# Altium PCB SupBigBrrg_0.PcbDoc (part 5 of 29)
Units mm, origin at the board's own origin, x right, y up, seen from the top; angles counter-clockwise.
Board outline 400 x 344 mm, 6 copper layers (TopLayer, PlaneGnd, PlanePwr, MidLayer3, MidLayer4, BottomLayer); 1288 components, 1323 nets, 5024 pads, 1078 vias.
Unrouted connection lines stored in the file: 1824.
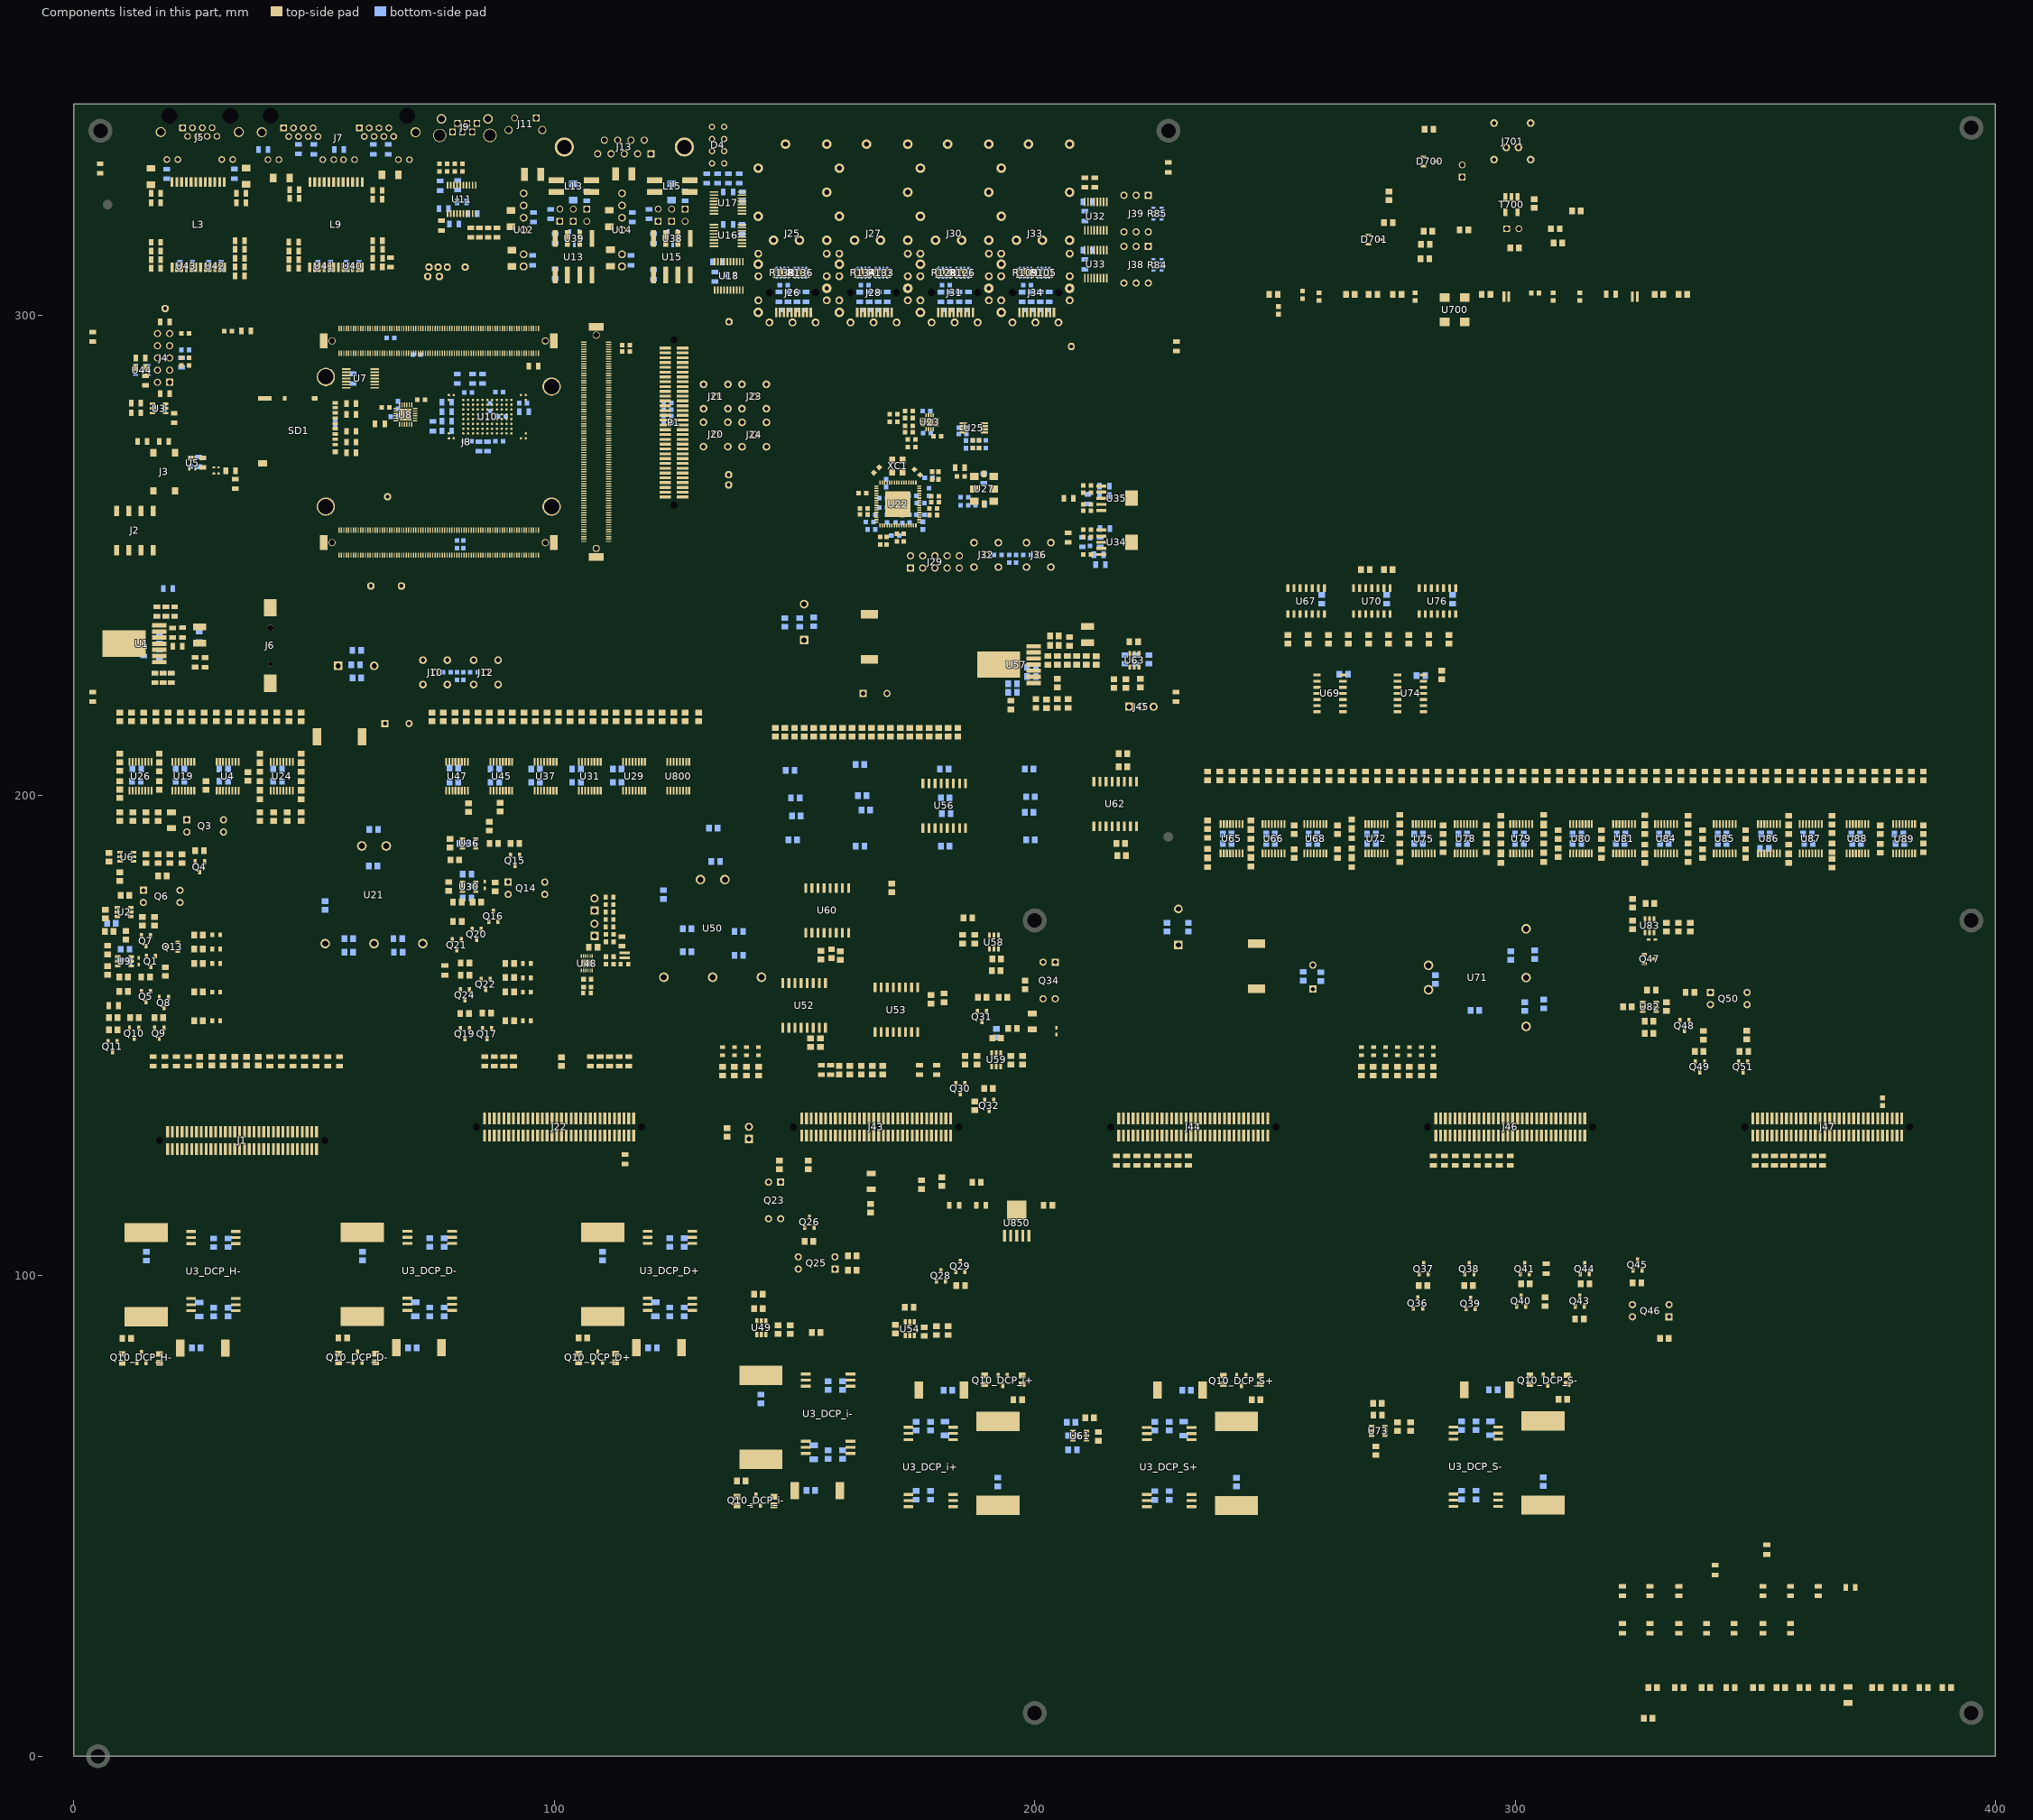
[diagram p9: the components of this part, seen from the top]

## Design rules (kind name [scope] priority, off if disabled: settings) (continued)
DiffPairsRouting "Schematic Differential Pairs Routing_1429" [InNet('SFP_TX_0.IO_P')] p351: maxlimit=0.5 minlimit=0.075 mostfreqgap=0.254 toplayer_prefgap=0.175 toplayer_minwidth=0.075 toplayer_maxwidth=0.5 toplayer_prefwidth=0.25 midlayer3_maxgap=0.254 midlayer3_minwidth=0.075 midlayer3_maxwidth=0.5 midlayer3_prefwidth=0.25 midlayer4_maxgap=0.254 midlayer4_minwidth=0.075 midlayer4_maxwidth=0.5 midlayer4_prefwidth=0.25 bottomlayer_prefgap=0.175 bottomlayer_minwidth=0.075 bottomlayer_maxwidth=0.5 bottomlayer_prefwidth=0.25 maxuncoupledlength=12.7
DiffPairsRouting "Schematic Differential Pairs Routing_1473" [InNet('ETH0_A_P')] p352: maxlimit=0.5 minlimit=0.075 mostfreqgap=0.254 toplayer_prefgap=0.175 toplayer_minwidth=0.075 toplayer_maxwidth=0.5 toplayer_prefwidth=0.25 midlayer3_maxgap=0.254 midlayer3_minwidth=0.075 midlayer3_maxwidth=0.5 midlayer3_prefwidth=0.25 midlayer4_maxgap=0.254 midlayer4_minwidth=0.075 midlayer4_maxwidth=0.5 midlayer4_prefwidth=0.25 bottomlayer_prefgap=0.175 bottomlayer_minwidth=0.075 bottomlayer_maxwidth=0.5 bottomlayer_prefwidth=0.25 maxuncoupledlength=12.7
DiffPairsRouting "Schematic Differential Pairs Routing_1472" [InNet('ETH0_B_P')] p353: maxlimit=0.5 minlimit=0.075 mostfreqgap=0.254 toplayer_prefgap=0.175 toplayer_minwidth=0.075 toplayer_maxwidth=0.5 toplayer_prefwidth=0.25 midlayer3_maxgap=0.254 midlayer3_minwidth=0.075 midlayer3_maxwidth=0.5 midlayer3_prefwidth=0.25 midlayer4_maxgap=0.254 midlayer4_minwidth=0.075 midlayer4_maxwidth=0.5 midlayer4_prefwidth=0.25 bottomlayer_prefgap=0.175 bottomlayer_minwidth=0.075 bottomlayer_maxwidth=0.5 bottomlayer_prefwidth=0.25 maxuncoupledlength=12.7
DiffPairsRouting "Schematic Differential Pairs Routing_1471" [InNet('ETH0_C_N')] p354: maxlimit=0.5 minlimit=0.075 mostfreqgap=0.254 toplayer_prefgap=0.175 toplayer_minwidth=0.075 toplayer_maxwidth=0.5 toplayer_prefwidth=0.25 midlayer3_maxgap=0.254 midlayer3_minwidth=0.075 midlayer3_maxwidth=0.5 midlayer3_prefwidth=0.25 midlayer4_maxgap=0.254 midlayer4_minwidth=0.075 midlayer4_maxwidth=0.5 midlayer4_prefwidth=0.25 bottomlayer_prefgap=0.175 bottomlayer_minwidth=0.075 bottomlayer_maxwidth=0.5 bottomlayer_prefwidth=0.25 maxuncoupledlength=12.7
DiffPairsRouting "Schematic Differential Pairs Routing_1470" [InNet('ETH0_C_P')] p355: maxlimit=0.5 minlimit=0.075 mostfreqgap=0.254 toplayer_prefgap=0.175 toplayer_minwidth=0.075 toplayer_maxwidth=0.5 toplayer_prefwidth=0.25 midlayer3_maxgap=0.254 midlayer3_minwidth=0.075 midlayer3_maxwidth=0.5 midlayer3_prefwidth=0.25 midlayer4_maxgap=0.254 midlayer4_minwidth=0.075 midlayer4_maxwidth=0.5 midlayer4_prefwidth=0.25 bottomlayer_prefgap=0.175 bottomlayer_minwidth=0.075 bottomlayer_maxwidth=0.5 bottomlayer_prefwidth=0.25 maxuncoupledlength=12.7
DiffPairsRouting "Schematic Differential Pairs Routing_1469" [InNet('ETH0_D_N')] p356: maxlimit=0.5 minlimit=0.075 mostfreqgap=0.254 toplayer_prefgap=0.175 toplayer_minwidth=0.075 toplayer_maxwidth=0.5 toplayer_prefwidth=0.25 midlayer3_maxgap=0.254 midlayer3_minwidth=0.075 midlayer3_maxwidth=0.5 midlayer3_prefwidth=0.25 midlayer4_maxgap=0.254 midlayer4_minwidth=0.075 midlayer4_maxwidth=0.5 midlayer4_prefwidth=0.25 bottomlayer_prefgap=0.175 bottomlayer_minwidth=0.075 bottomlayer_maxwidth=0.5 bottomlayer_prefwidth=0.25 maxuncoupledlength=12.7
DiffPairsRouting "Schematic Differential Pairs Routing_1468" [InNet('ETH0_D_P')] p357: maxlimit=0.5 minlimit=0.075 mostfreqgap=0.254 toplayer_prefgap=0.175 toplayer_minwidth=0.075 toplayer_maxwidth=0.5 toplayer_prefwidth=0.25 midlayer3_maxgap=0.254 midlayer3_minwidth=0.075 midlayer3_maxwidth=0.5 midlayer3_prefwidth=0.25 midlayer4_maxgap=0.254 midlayer4_minwidth=0.075 midlayer4_maxwidth=0.5 midlayer4_prefwidth=0.25 bottomlayer_prefgap=0.175 bottomlayer_minwidth=0.075 bottomlayer_maxwidth=0.5 bottomlayer_prefwidth=0.25 maxuncoupledlength=12.7
DiffPairsRouting "Schematic Differential Pairs Routing_1466" [InNet('ETH1A_TX_P')] p358: maxlimit=0.5 minlimit=0.075 mostfreqgap=0.254 toplayer_prefgap=0.175 toplayer_minwidth=0.075 toplayer_maxwidth=0.5 toplayer_prefwidth=0.25 midlayer3_maxgap=0.254 midlayer3_minwidth=0.075 midlayer3_maxwidth=0.5 midlayer3_prefwidth=0.25 midlayer4_maxgap=0.254 midlayer4_minwidth=0.075 midlayer4_maxwidth=0.5 midlayer4_prefwidth=0.25 bottomlayer_prefgap=0.175 bottomlayer_minwidth=0.075 bottomlayer_maxwidth=0.5 bottomlayer_prefwidth=0.25 maxuncoupledlength=12.7
DiffPairsRouting "Schematic Differential Pairs Routing_1465" [InNet('ETH1A_RX_N')] p359: maxlimit=0.5 minlimit=0.075 mostfreqgap=0.254 toplayer_prefgap=0.175 toplayer_minwidth=0.075 toplayer_maxwidth=0.5 toplayer_prefwidth=0.25 midlayer3_maxgap=0.254 midlayer3_minwidth=0.075 midlayer3_maxwidth=0.5 midlayer3_prefwidth=0.25 midlayer4_maxgap=0.254 midlayer4_minwidth=0.075 midlayer4_maxwidth=0.5 midlayer4_prefwidth=0.25 bottomlayer_prefgap=0.175 bottomlayer_minwidth=0.075 bottomlayer_maxwidth=0.5 bottomlayer_prefwidth=0.25 maxuncoupledlength=12.7
DiffPairsRouting "Schematic Differential Pairs Routing_1464" [InNet('ETH1B_TX_N')] p360: maxlimit=0.5 minlimit=0.075 mostfreqgap=0.254 toplayer_prefgap=0.175 toplayer_minwidth=0.075 toplayer_maxwidth=0.5 toplayer_prefwidth=0.25 midlayer3_maxgap=0.254 midlayer3_minwidth=0.075 midlayer3_maxwidth=0.5 midlayer3_prefwidth=0.25 midlayer4_maxgap=0.254 midlayer4_minwidth=0.075 midlayer4_maxwidth=0.5 midlayer4_prefwidth=0.25 bottomlayer_prefgap=0.175 bottomlayer_minwidth=0.075 bottomlayer_maxwidth=0.5 bottomlayer_prefwidth=0.25 maxuncoupledlength=12.7
DiffPairsRouting "Schematic Differential Pairs Routing_1463" [InNet('ETH1B_TX_P')] p361: maxlimit=0.5 minlimit=0.075 mostfreqgap=0.254 toplayer_prefgap=0.175 toplayer_minwidth=0.075 toplayer_maxwidth=0.5 toplayer_prefwidth=0.25 midlayer3_maxgap=0.254 midlayer3_minwidth=0.075 midlayer3_maxwidth=0.5 midlayer3_prefwidth=0.25 midlayer4_maxgap=0.254 midlayer4_minwidth=0.075 midlayer4_maxwidth=0.5 midlayer4_prefwidth=0.25 bottomlayer_prefgap=0.175 bottomlayer_minwidth=0.075 bottomlayer_maxwidth=0.5 bottomlayer_prefwidth=0.25 maxuncoupledlength=12.7
DiffPairsRouting "Schematic Differential Pairs Routing_1462" [InNet('ETH1B_RX_N')] p362: maxlimit=0.5 minlimit=0.075 mostfreqgap=0.254 toplayer_prefgap=0.175 toplayer_minwidth=0.075 toplayer_maxwidth=0.5 toplayer_prefwidth=0.25 midlayer3_maxgap=0.254 midlayer3_minwidth=0.075 midlayer3_maxwidth=0.5 midlayer3_prefwidth=0.25 midlayer4_maxgap=0.254 midlayer4_minwidth=0.075 midlayer4_maxwidth=0.5 midlayer4_prefwidth=0.25 bottomlayer_prefgap=0.175 bottomlayer_minwidth=0.075 bottomlayer_maxwidth=0.5 bottomlayer_prefwidth=0.25 maxuncoupledlength=12.7
DiffPairsRouting "Schematic Differential Pairs Routing_1443" [InNet('SFP_RX_1.IO_N')] p363: maxlimit=0.5 minlimit=0.075 mostfreqgap=0.254 toplayer_prefgap=0.175 toplayer_minwidth=0.075 toplayer_maxwidth=0.5 toplayer_prefwidth=0.25 midlayer3_maxgap=0.254 midlayer3_minwidth=0.075 midlayer3_maxwidth=0.5 midlayer3_prefwidth=0.25 midlayer4_maxgap=0.254 midlayer4_minwidth=0.075 midlayer4_maxwidth=0.5 midlayer4_prefwidth=0.25 bottomlayer_prefgap=0.175 bottomlayer_minwidth=0.075 bottomlayer_maxwidth=0.5 bottomlayer_prefwidth=0.25 maxuncoupledlength=12.7
DiffPairsRouting "Schematic Differential Pairs Routing_1442" [InNet('SFP_RX_1.IO_P')] p364: maxlimit=0.5 minlimit=0.075 mostfreqgap=0.254 toplayer_prefgap=0.175 toplayer_minwidth=0.075 toplayer_maxwidth=0.5 toplayer_prefwidth=0.25 midlayer3_maxgap=0.254 midlayer3_minwidth=0.075 midlayer3_maxwidth=0.5 midlayer3_prefwidth=0.25 midlayer4_maxgap=0.254 midlayer4_minwidth=0.075 midlayer4_maxwidth=0.5 midlayer4_prefwidth=0.25 bottomlayer_prefgap=0.175 bottomlayer_minwidth=0.075 bottomlayer_maxwidth=0.5 bottomlayer_prefwidth=0.25 maxuncoupledlength=12.7
DiffPairsRouting "Schematic Differential Pairs Routing_415" [InNet('SFP_TX_2.IO_P')] p365: maxlimit=0.5 minlimit=0.075 mostfreqgap=0.254 toplayer_prefgap=0.175 toplayer_minwidth=0.075 toplayer_maxwidth=0.5 toplayer_prefwidth=0.25 midlayer3_maxgap=0.254 midlayer3_minwidth=0.075 midlayer3_maxwidth=0.5 midlayer3_prefwidth=0.25 midlayer4_maxgap=0.254 midlayer4_minwidth=0.075 midlayer4_maxwidth=0.5 midlayer4_prefwidth=0.25 bottomlayer_prefgap=0.175 bottomlayer_minwidth=0.075 bottomlayer_maxwidth=0.5 bottomlayer_prefwidth=0.25 maxuncoupledlength=12.7
DiffPairsRouting "Schematic Differential Pairs Routing_359" [InNet('SFP_TX_3.IO_P')] p366: maxlimit=0.5 minlimit=0.075 mostfreqgap=0.254 toplayer_prefgap=0.175 toplayer_minwidth=0.075 toplayer_maxwidth=0.5 toplayer_prefwidth=0.25 midlayer3_maxgap=0.254 midlayer3_minwidth=0.075 midlayer3_maxwidth=0.5 midlayer3_prefwidth=0.25 midlayer4_maxgap=0.254 midlayer4_minwidth=0.075 midlayer4_maxwidth=0.5 midlayer4_prefwidth=0.25 bottomlayer_prefgap=0.175 bottomlayer_minwidth=0.075 bottomlayer_maxwidth=0.5 bottomlayer_prefwidth=0.25 maxuncoupledlength=12.7
DiffPairsRouting "Schematic Differential Pairs Routing_1458" [InNet('ETH0_A_P')] p367: maxlimit=0.5 minlimit=0.075 mostfreqgap=0.254 toplayer_prefgap=0.175 toplayer_minwidth=0.075 toplayer_maxwidth=0.5 toplayer_prefwidth=0.25 midlayer3_maxgap=0.254 midlayer3_minwidth=0.075 midlayer3_maxwidth=0.5 midlayer3_prefwidth=0.25 midlayer4_maxgap=0.254 midlayer4_minwidth=0.075 midlayer4_maxwidth=0.5 midlayer4_prefwidth=0.25 bottomlayer_prefgap=0.175 bottomlayer_minwidth=0.075 bottomlayer_maxwidth=0.5 bottomlayer_prefwidth=0.25 maxuncoupledlength=12.7
DiffPairsRouting "Schematic Differential Pairs Routing_1457" [InNet('ETH0_B_N')] p368: maxlimit=0.5 minlimit=0.075 mostfreqgap=0.254 toplayer_prefgap=0.175 toplayer_minwidth=0.075 toplayer_maxwidth=0.5 toplayer_prefwidth=0.25 midlayer3_maxgap=0.254 midlayer3_minwidth=0.075 midlayer3_maxwidth=0.5 midlayer3_prefwidth=0.25 midlayer4_maxgap=0.254 midlayer4_minwidth=0.075 midlayer4_maxwidth=0.5 midlayer4_prefwidth=0.25 bottomlayer_prefgap=0.175 bottomlayer_minwidth=0.075 bottomlayer_maxwidth=0.5 bottomlayer_prefwidth=0.25 maxuncoupledlength=12.7
DiffPairsRouting "Schematic Differential Pairs Routing_1456" [InNet('ETH0_B_P')] p369: maxlimit=0.5 minlimit=0.075 mostfreqgap=0.254 toplayer_prefgap=0.175 toplayer_minwidth=0.075 toplayer_maxwidth=0.5 toplayer_prefwidth=0.25 midlayer3_maxgap=0.254 midlayer3_minwidth=0.075 midlayer3_maxwidth=0.5 midlayer3_prefwidth=0.25 midlayer4_maxgap=0.254 midlayer4_minwidth=0.075 midlayer4_maxwidth=0.5 midlayer4_prefwidth=0.25 bottomlayer_prefgap=0.175 bottomlayer_minwidth=0.075 bottomlayer_maxwidth=0.5 bottomlayer_prefwidth=0.25 maxuncoupledlength=12.7
DiffPairsRouting "Schematic Differential Pairs Routing_1455" [InNet('ETH0_D_N')] p370: maxlimit=0.5 minlimit=0.075 mostfreqgap=0.254 toplayer_prefgap=0.175 toplayer_minwidth=0.075 toplayer_maxwidth=0.5 toplayer_prefwidth=0.25 midlayer3_maxgap=0.254 midlayer3_minwidth=0.075 midlayer3_maxwidth=0.5 midlayer3_prefwidth=0.25 midlayer4_maxgap=0.254 midlayer4_minwidth=0.075 midlayer4_maxwidth=0.5 midlayer4_prefwidth=0.25 bottomlayer_prefgap=0.175 bottomlayer_minwidth=0.075 bottomlayer_maxwidth=0.5 bottomlayer_prefwidth=0.25 maxuncoupledlength=12.7
DiffPairsRouting "Schematic Differential Pairs Routing_1454" [InNet('ETH0_D_P')] p371: maxlimit=0.5 minlimit=0.075 mostfreqgap=0.254 toplayer_prefgap=0.175 toplayer_minwidth=0.075 toplayer_maxwidth=0.5 toplayer_prefwidth=0.25 midlayer3_maxgap=0.254 midlayer3_minwidth=0.075 midlayer3_maxwidth=0.5 midlayer3_prefwidth=0.25 midlayer4_maxgap=0.254 midlayer4_minwidth=0.075 midlayer4_maxwidth=0.5 midlayer4_prefwidth=0.25 bottomlayer_prefgap=0.175 bottomlayer_minwidth=0.075 bottomlayer_maxwidth=0.5 bottomlayer_prefwidth=0.25 maxuncoupledlength=12.7
DiffPairsRouting "Schematic Differential Pairs Routing_1452" [InNet('ETH1A_TX_P')] p372: maxlimit=0.5 minlimit=0.075 mostfreqgap=0.254 toplayer_prefgap=0.175 toplayer_minwidth=0.075 toplayer_maxwidth=0.5 toplayer_prefwidth=0.25 midlayer3_maxgap=0.254 midlayer3_minwidth=0.075 midlayer3_maxwidth=0.5 midlayer3_prefwidth=0.25 midlayer4_maxgap=0.254 midlayer4_minwidth=0.075 midlayer4_maxwidth=0.5 midlayer4_prefwidth=0.25 bottomlayer_prefgap=0.175 bottomlayer_minwidth=0.075 bottomlayer_maxwidth=0.5 bottomlayer_prefwidth=0.25 maxuncoupledlength=12.7
DiffPairsRouting "Schematic Differential Pairs Routing_1451" [InNet('ETH1A_RX_N')] p373: maxlimit=0.5 minlimit=0.075 mostfreqgap=0.254 toplayer_prefgap=0.175 toplayer_minwidth=0.075 toplayer_maxwidth=0.5 toplayer_prefwidth=0.25 midlayer3_maxgap=0.254 midlayer3_minwidth=0.075 midlayer3_maxwidth=0.5 midlayer3_prefwidth=0.25 midlayer4_maxgap=0.254 midlayer4_minwidth=0.075 midlayer4_maxwidth=0.5 midlayer4_prefwidth=0.25 bottomlayer_prefgap=0.175 bottomlayer_minwidth=0.075 bottomlayer_maxwidth=0.5 bottomlayer_prefwidth=0.25 maxuncoupledlength=12.7
DiffPairsRouting "Schematic Differential Pairs Routing_1450" [InNet('ETH1A_RX_P')] p374: maxlimit=0.5 minlimit=0.075 mostfreqgap=0.254 toplayer_prefgap=0.175 toplayer_minwidth=0.075 toplayer_maxwidth=0.5 toplayer_prefwidth=0.25 midlayer3_maxgap=0.254 midlayer3_minwidth=0.075 midlayer3_maxwidth=0.5 midlayer3_prefwidth=0.25 midlayer4_maxgap=0.254 midlayer4_minwidth=0.075 midlayer4_maxwidth=0.5 midlayer4_prefwidth=0.25 bottomlayer_prefgap=0.175 bottomlayer_minwidth=0.075 bottomlayer_maxwidth=0.5 bottomlayer_prefwidth=0.25 maxuncoupledlength=12.7
DiffPairsRouting "Schematic Differential Pairs Routing_1449" [InNet('ETH1B_TX_N')] p375: maxlimit=0.5 minlimit=0.075 mostfreqgap=0.254 toplayer_prefgap=0.175 toplayer_minwidth=0.075 toplayer_maxwidth=0.5 toplayer_prefwidth=0.25 midlayer3_maxgap=0.254 midlayer3_minwidth=0.075 midlayer3_maxwidth=0.5 midlayer3_prefwidth=0.25 midlayer4_maxgap=0.254 midlayer4_minwidth=0.075 midlayer4_maxwidth=0.5 midlayer4_prefwidth=0.25 bottomlayer_prefgap=0.175 bottomlayer_minwidth=0.075 bottomlayer_maxwidth=0.5 bottomlayer_prefwidth=0.25 maxuncoupledlength=12.7
DiffPairsRouting "Schematic Differential Pairs Routing_1448" [InNet('ETH1B_TX_P')] p376: maxlimit=0.5 minlimit=0.075 mostfreqgap=0.254 toplayer_prefgap=0.175 toplayer_minwidth=0.075 toplayer_maxwidth=0.5 toplayer_prefwidth=0.25 midlayer3_maxgap=0.254 midlayer3_minwidth=0.075 midlayer3_maxwidth=0.5 midlayer3_prefwidth=0.25 midlayer4_maxgap=0.254 midlayer4_minwidth=0.075 midlayer4_maxwidth=0.5 midlayer4_prefwidth=0.25 bottomlayer_prefgap=0.175 bottomlayer_minwidth=0.075 bottomlayer_maxwidth=0.5 bottomlayer_prefwidth=0.25 maxuncoupledlength=12.7
DiffPairsRouting "Schematic Differential Pairs Routing_1447" [InNet('ETH1B_RX_N')] p377: maxlimit=0.5 minlimit=0.075 mostfreqgap=0.254 toplayer_prefgap=0.175 toplayer_minwidth=0.075 toplayer_maxwidth=0.5 toplayer_prefwidth=0.25 midlayer3_maxgap=0.254 midlayer3_minwidth=0.075 midlayer3_maxwidth=0.5 midlayer3_prefwidth=0.25 midlayer4_maxgap=0.254 midlayer4_minwidth=0.075 midlayer4_maxwidth=0.5 midlayer4_prefwidth=0.25 bottomlayer_prefgap=0.175 bottomlayer_minwidth=0.075 bottomlayer_maxwidth=0.5 bottomlayer_prefwidth=0.25 maxuncoupledlength=12.7
DiffPairsRouting "Schematic Differential Pairs Routing_1445" [InNet('SFP_RX_1.IO_N')] p378: maxlimit=0.5 minlimit=0.075 mostfreqgap=0.254 toplayer_prefgap=0.175 toplayer_minwidth=0.075 toplayer_maxwidth=0.5 toplayer_prefwidth=0.25 midlayer3_maxgap=0.254 midlayer3_minwidth=0.075 midlayer3_maxwidth=0.5 midlayer3_prefwidth=0.25 midlayer4_maxgap=0.254 midlayer4_minwidth=0.075 midlayer4_maxwidth=0.5 midlayer4_prefwidth=0.25 bottomlayer_prefgap=0.175 bottomlayer_minwidth=0.075 bottomlayer_maxwidth=0.5 bottomlayer_prefwidth=0.25 maxuncoupledlength=12.7
DiffPairsRouting "Schematic Differential Pairs Routing_1432" [InNet('SFP_RX_3.IO_N')] p379: maxlimit=0.5 minlimit=0.075 mostfreqgap=0.254 toplayer_prefgap=0.175 toplayer_minwidth=0.075 toplayer_maxwidth=0.5 toplayer_prefwidth=0.25 midlayer3_maxgap=0.254 midlayer3_minwidth=0.075 midlayer3_maxwidth=0.5 midlayer3_prefwidth=0.25 midlayer4_maxgap=0.254 midlayer4_minwidth=0.075 midlayer4_maxwidth=0.5 midlayer4_prefwidth=0.25 bottomlayer_prefgap=0.175 bottomlayer_minwidth=0.075 bottomlayer_maxwidth=0.5 bottomlayer_prefwidth=0.25 maxuncoupledlength=12.7
DiffPairsRouting "Schematic Differential Pairs Routing_1431" [InNet('SFP_RX_3.IO_P')] p380: maxlimit=0.5 minlimit=0.075 mostfreqgap=0.254 toplayer_prefgap=0.175 toplayer_minwidth=0.075 toplayer_maxwidth=0.5 toplayer_prefwidth=0.25 midlayer3_maxgap=0.254 midlayer3_minwidth=0.075 midlayer3_maxwidth=0.5 midlayer3_prefwidth=0.25 midlayer4_maxgap=0.254 midlayer4_minwidth=0.075 midlayer4_maxwidth=0.5 midlayer4_prefwidth=0.25 bottomlayer_prefgap=0.175 bottomlayer_minwidth=0.075 bottomlayer_maxwidth=0.5 bottomlayer_prefwidth=0.25 maxuncoupledlength=12.7
DiffPairsRouting "Schematic Differential Pairs Routing_1402" [InNet('SFP_TX_2.IO_P')] p381: maxlimit=0.5 minlimit=0.075 mostfreqgap=0.254 toplayer_prefgap=0.175 toplayer_minwidth=0.075 toplayer_maxwidth=0.5 toplayer_prefwidth=0.25 midlayer3_maxgap=0.254 midlayer3_minwidth=0.075 midlayer3_maxwidth=0.5 midlayer3_prefwidth=0.25 midlayer4_maxgap=0.254 midlayer4_minwidth=0.075 midlayer4_maxwidth=0.5 midlayer4_prefwidth=0.25 bottomlayer_prefgap=0.175 bottomlayer_minwidth=0.075 bottomlayer_maxwidth=0.5 bottomlayer_prefwidth=0.25 maxuncoupledlength=12.7
DiffPairsRouting "Schematic Differential Pairs Routing_1395" [InNet('SFP_TX_3.IO_P')] p382: maxlimit=0.5 minlimit=0.075 mostfreqgap=0.254 toplayer_prefgap=0.175 toplayer_minwidth=0.075 toplayer_maxwidth=0.5 toplayer_prefwidth=0.25 midlayer3_maxgap=0.254 midlayer3_minwidth=0.075 midlayer3_maxwidth=0.5 midlayer3_prefwidth=0.25 midlayer4_maxgap=0.254 midlayer4_minwidth=0.075 midlayer4_maxwidth=0.5 midlayer4_prefwidth=0.25 bottomlayer_prefgap=0.175 bottomlayer_minwidth=0.075 bottomlayer_maxwidth=0.5 bottomlayer_prefwidth=0.25 maxuncoupledlength=12.7
DiffPairsRouting "Schematic Differential Pairs Routing_1441" [InNet('SFP_TX_3.IO_P')] p383: maxlimit=0.5 minlimit=0.075 mostfreqgap=0.254 toplayer_prefgap=0.175 toplayer_minwidth=0.075 toplayer_maxwidth=0.5 toplayer_prefwidth=0.25 midlayer3_maxgap=0.254 midlayer3_minwidth=0.075 midlayer3_maxwidth=0.5 midlayer3_prefwidth=0.25 midlayer4_maxgap=0.254 midlayer4_minwidth=0.075 midlayer4_maxwidth=0.5 midlayer4_prefwidth=0.25 bottomlayer_prefgap=0.175 bottomlayer_minwidth=0.075 bottomlayer_maxwidth=0.5 bottomlayer_prefwidth=0.25 maxuncoupledlength=12.7
DiffPairsRouting "Schematic Differential Pairs Routing_1439" [InNet('ETH0_A_P')] p384: maxlimit=0.5 minlimit=0.075 mostfreqgap=0.254 toplayer_prefgap=0.175 toplayer_minwidth=0.075 toplayer_maxwidth=0.5 toplayer_prefwidth=0.25 midlayer3_maxgap=0.254 midlayer3_minwidth=0.075 midlayer3_maxwidth=0.5 midlayer3_prefwidth=0.25 midlayer4_maxgap=0.254 midlayer4_minwidth=0.075 midlayer4_maxwidth=0.5 midlayer4_prefwidth=0.25 bottomlayer_prefgap=0.175 bottomlayer_minwidth=0.075 bottomlayer_maxwidth=0.5 bottomlayer_prefwidth=0.25 maxuncoupledlength=12.7
DiffPairsRouting "Schematic Differential Pairs Routing_1438" [InNet('ETH0_B_N')] p385: maxlimit=0.5 minlimit=0.075 mostfreqgap=0.254 toplayer_prefgap=0.175 toplayer_minwidth=0.075 toplayer_maxwidth=0.5 toplayer_prefwidth=0.25 midlayer3_maxgap=0.254 midlayer3_minwidth=0.075 midlayer3_maxwidth=0.5 midlayer3_prefwidth=0.25 midlayer4_maxgap=0.254 midlayer4_minwidth=0.075 midlayer4_maxwidth=0.5 midlayer4_prefwidth=0.25 bottomlayer_prefgap=0.175 bottomlayer_minwidth=0.075 bottomlayer_maxwidth=0.5 bottomlayer_prefwidth=0.25 maxuncoupledlength=12.7
DiffPairsRouting "Schematic Differential Pairs Routing_1437" [InNet('ETH0_B_P')] p386: maxlimit=0.5 minlimit=0.075 mostfreqgap=0.254 toplayer_prefgap=0.175 toplayer_minwidth=0.075 toplayer_maxwidth=0.5 toplayer_prefwidth=0.25 midlayer3_maxgap=0.254 midlayer3_minwidth=0.075 midlayer3_maxwidth=0.5 midlayer3_prefwidth=0.25 midlayer4_maxgap=0.254 midlayer4_minwidth=0.075 midlayer4_maxwidth=0.5 midlayer4_prefwidth=0.25 bottomlayer_prefgap=0.175 bottomlayer_minwidth=0.075 bottomlayer_maxwidth=0.5 bottomlayer_prefwidth=0.25 maxuncoupledlength=12.7
DiffPairsRouting "Schematic Differential Pairs Routing_1436" [InNet('ETH0_D_N')] p387: maxlimit=0.5 minlimit=0.075 mostfreqgap=0.254 toplayer_prefgap=0.175 toplayer_minwidth=0.075 toplayer_maxwidth=0.5 toplayer_prefwidth=0.25 midlayer3_maxgap=0.254 midlayer3_minwidth=0.075 midlayer3_maxwidth=0.5 midlayer3_prefwidth=0.25 midlayer4_maxgap=0.254 midlayer4_minwidth=0.075 midlayer4_maxwidth=0.5 midlayer4_prefwidth=0.25 bottomlayer_prefgap=0.175 bottomlayer_minwidth=0.075 bottomlayer_maxwidth=0.5 bottomlayer_prefwidth=0.25 maxuncoupledlength=12.7
DiffPairsRouting "Schematic Differential Pairs Routing_1435" [InNet('ETH0_D_P')] p388: maxlimit=0.5 minlimit=0.075 mostfreqgap=0.254 toplayer_prefgap=0.175 toplayer_minwidth=0.075 toplayer_maxwidth=0.5 toplayer_prefwidth=0.25 midlayer3_maxgap=0.254 midlayer3_minwidth=0.075 midlayer3_maxwidth=0.5 midlayer3_prefwidth=0.25 midlayer4_maxgap=0.254 midlayer4_minwidth=0.075 midlayer4_maxwidth=0.5 midlayer4_prefwidth=0.25 bottomlayer_prefgap=0.175 bottomlayer_minwidth=0.075 bottomlayer_maxwidth=0.5 bottomlayer_prefwidth=0.25 maxuncoupledlength=12.7